# Altium PCB Version_2.PcbDoc (part 6 of 6)
Units mil, origin at the board's own origin, x right, y up, seen from the top; angles counter-clockwise.
Board outline 6692.91 x 6692.91 mil, 4 copper layers (Component Side, Ground Plane, Power, Solder Side), stack 33.234 mil thick; 798 components, 528 nets, 2533 pads, 836 vias.
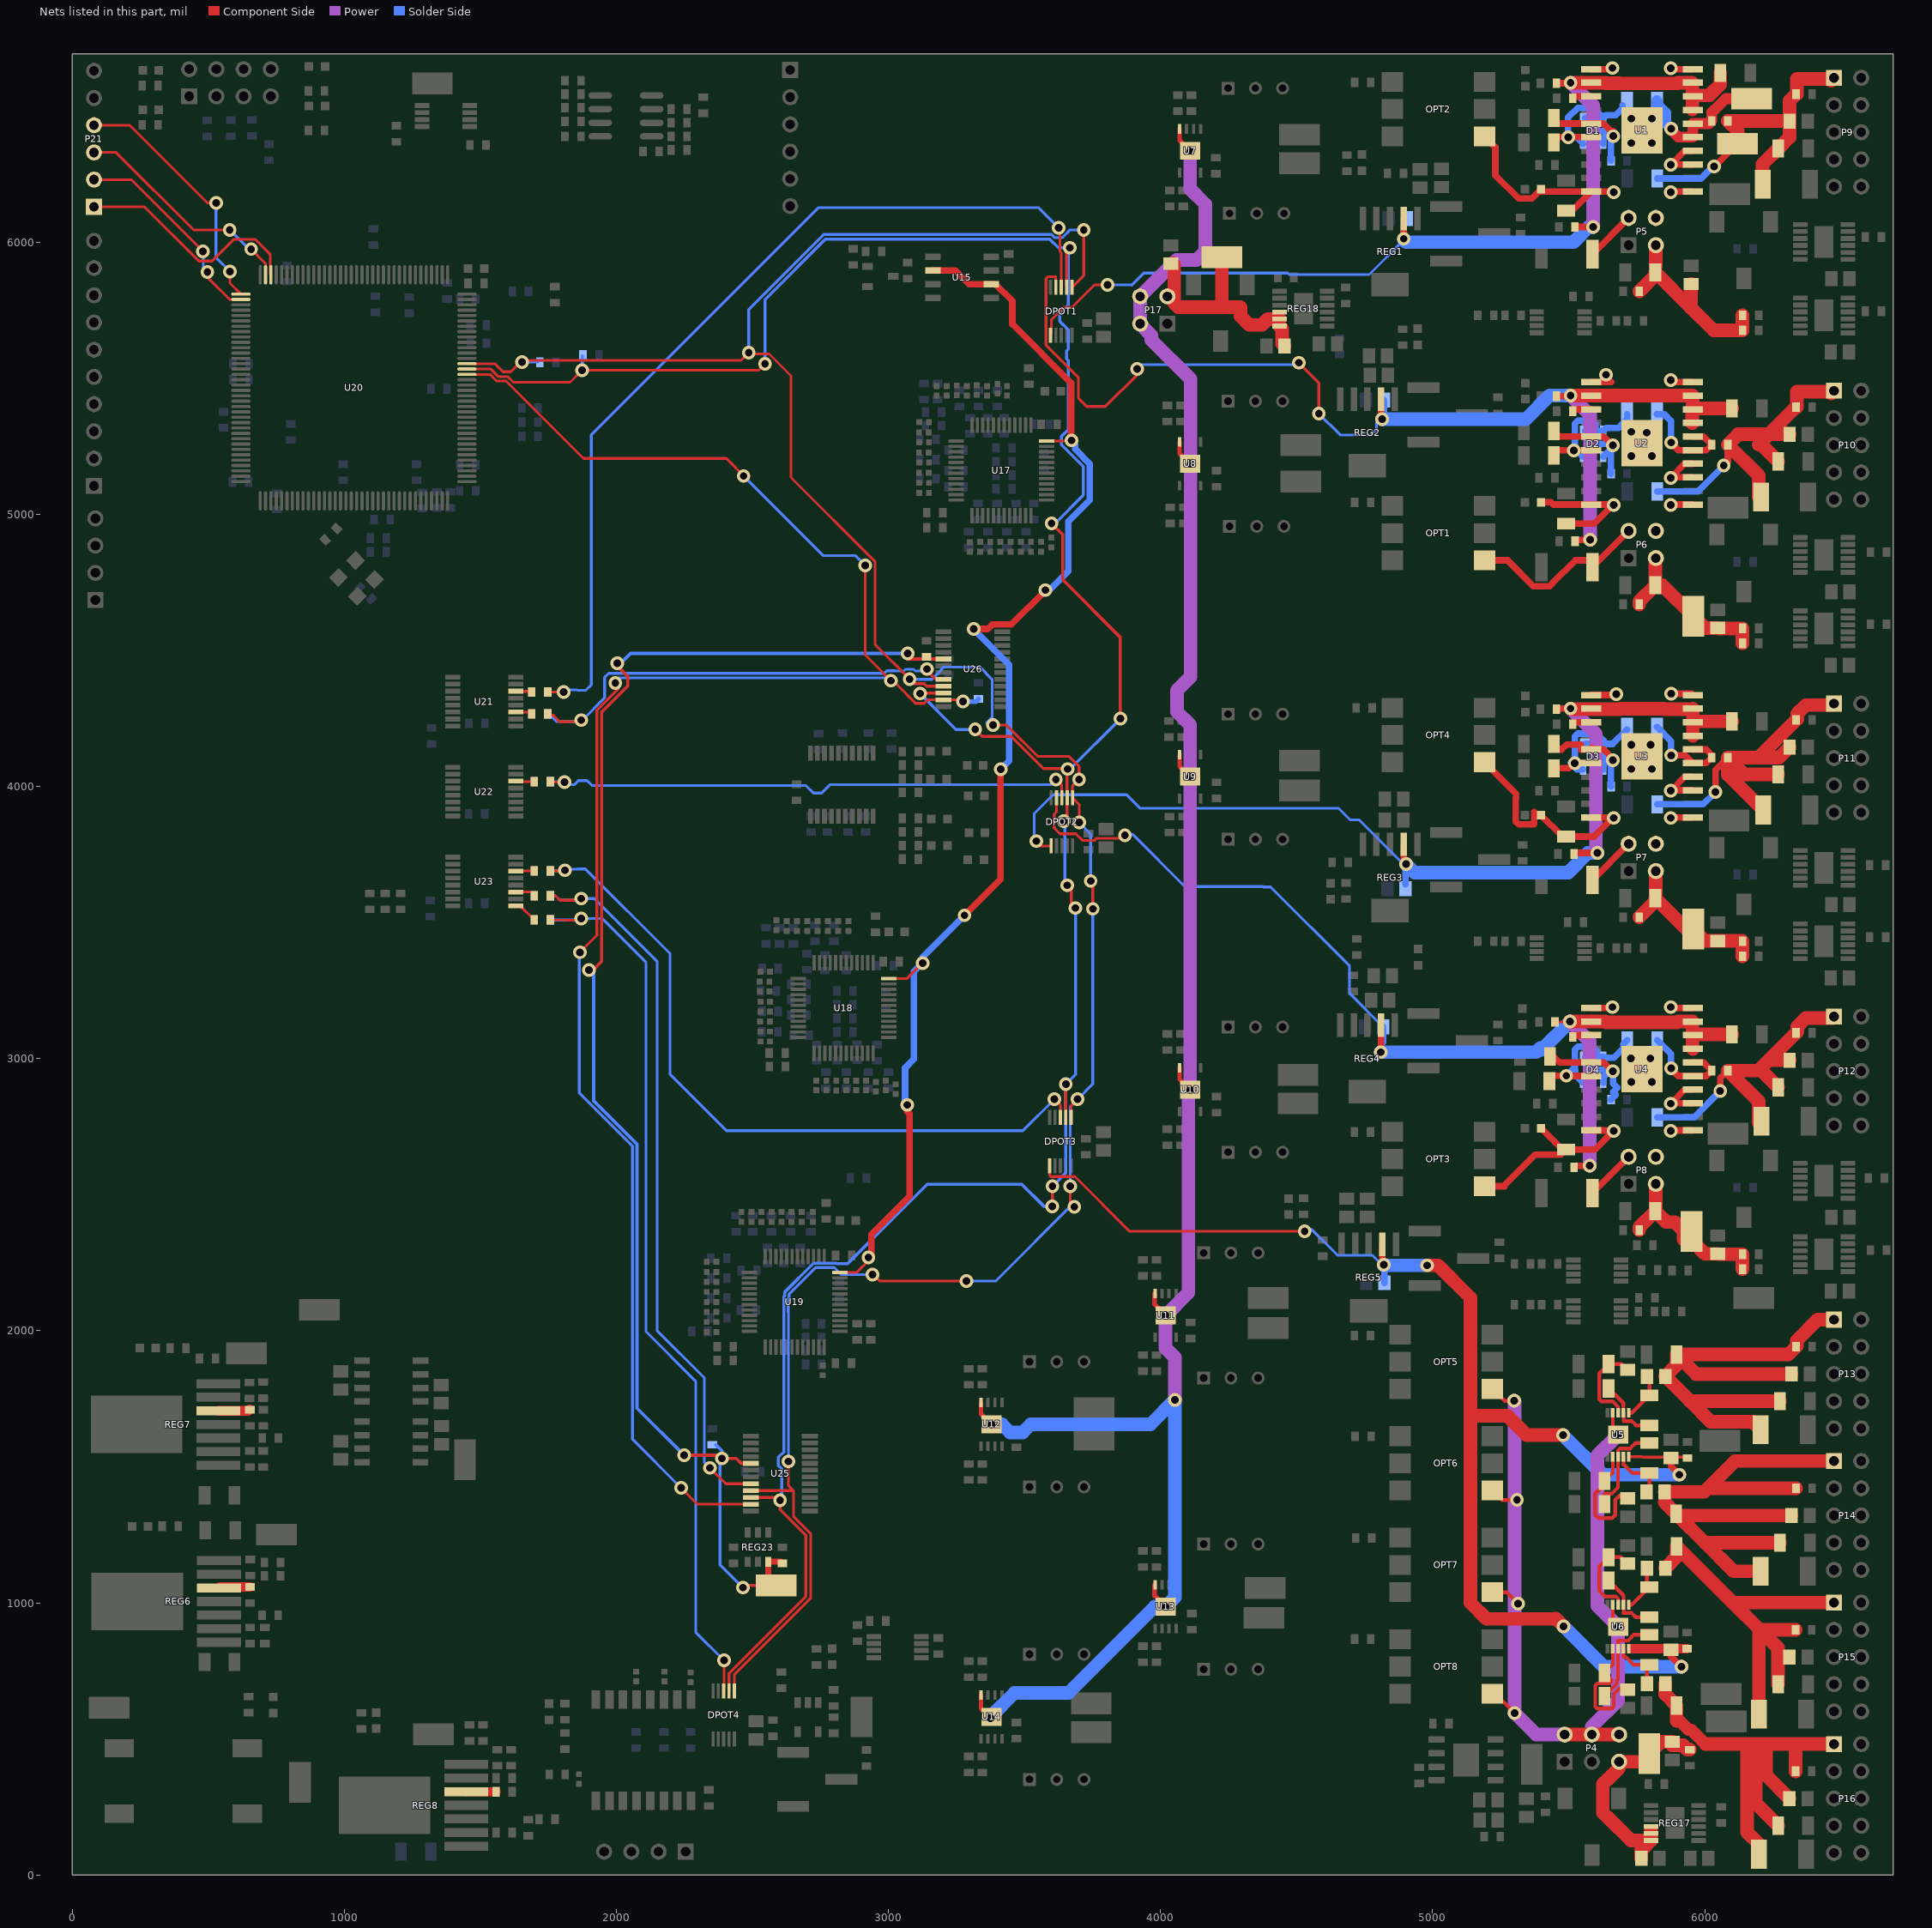
[diagram p8: the nets of this part, all layers, seen from the top]

## Via types
v1: diameter 50, hole 28, Component Side to Solder Side, 831 vias
v2: diameter 50/50/50 (per signal layer), hole 28, Component Side to Solder Side, 4 vias
v3: diameter 37.4, hole 19.68, Component Side to Solder Side, 1 vias

## Nets (pads, with @x,y where several pads share a name; then routed paths per layer and width w, separated by ;. In a path a pad name is that pad's centre, name@x,y a point inside that pad or via, vN(x,y) a via of type N, cw(c..) or ccw(c..) an arc to the next point about the centre after c; other vN are vias at no path point) (continued)
SPI_CLK: DPOT1.6 DPOT2.6 DPOT3.6 DPOT4.6 R200.1 U20.59 U25.21 U26.21 | length 10134.2
  Component Side w10: U20.59@1450.67,5553.58 1552.99,5553.58 1582.53,5524.04 1612.35,5524.04 1651.31,5562.99 1655.51,5562.99 1658.05,5565.53 2457.26,5565.53 v1(2486.22,5594.49) 2491.29,5589.42 2561.3,5589.42 2641.73,5508.98 2641.73,5135.56 2950.37,4826.92 2950.37,4522.07 v1(3077.76,4394.68) ; DPOT4.6@2433.9,676.85 2433.9,737.55 2714.57,1018.21 2714.57,1253.65 2650.71,1317.51 2650.71,1412.52 ; U25.21@2494.33,1412.52 2586.08,1412.52 2586.59,1413.04 2616.42,1413.04 2616.93,1412.52 2650.71,1412.52 ; v1(2631.89,1519.68) 2631.89,1431.34 2650.71,1412.52 ; v1(2940.94,2205.71) 2945.37,2205.71 2968.99,2182.09 v1(3286.42,2182.09) ; v1@3094.69,4377.75 3131.21,4377.75 3140.49,4368.46 U26.21@3201.97,4368.46 ; v1(3383.86,4225.39) 3433.77,4225.39 3548.31,4110.86 3662.5,4110.86 3700.24,4073.11 v1(3700.24,4025.96) 3676.38,4002.1 DPOT2.6@3676.38,3958.56 3702.76,3932.18 3700.86,3930.29 v1(3700.86,3867.63) ; v1@3668.49,2522.82 v1(3668.49,2530.64) 3668.31,2530.46 3668.31,2469.49 v1(3683.07,2454.72) ; DPOT3.6@3671.38,2783.56 3671.38,2827.1 v1(3695.24,2850.96) ; DPOT1.6@3674.61,5834.54 3717.52,5877.46 v1(3717.52,6045.28) ; v1(3750.98,3550.2) v1@3750.98,3644.68
  Solder Side w10: v1(1653.62,5559.33) 1710.36,5559.33 1710.63,5559.06 R200.1@1714.57,5562.99 ; v1(2486.22,5594.49) 2486.22,5752.41 2762.2,6028.39 3598.84,6028.39 3610.09,6017.15 3639.91,6017.15 3646.12,6023.36 3661,6038.24 3661,6039.65 3666.62,6045.28 v1(3717.52,6045.28) ; v1(2631.89,1519.68) 2631.89,2068.41 2631.45,2068.85 2631.45,2118.51 2634.69,2121.75 2634.69,2134.8 2731.87,2231.97 2801.01,2231.97 2827.28,2205.71 v1(2940.94,2205.71) ; v1@3089.57,4400.59 3096.46,4393.7 3159.45,4393.7 3192.74,4426.99 3192.74,4427.78 3203.93,4438.98 3335.63,4438.98 3380.91,4393.7 3380.91,4253 3360.4,4232.49 v1@3364.95,4232.49 ; v1(3286.42,2182.09) 3393.7,2182.09 3683.07,2471.46 v1(3683.07,2454.72) ; v1(3668.49,2530.64) 3668.49,2824.21 v1(3695.24,2850.96) 3750.98,2906.71 v1(3750.98,3550.2) ; 3718.5,3849.78 3743.11,3825.17 v1(3743.11,3652.56)
SPI_CS1: R254.1 R255.1 U26.20 | length 1736.4
  Component Side w10: R254.1@1756.89,4261.81 1770.1,4261.81 1770.1,4258.88 1791.19,4237.79 1821.01,4237.79 1822.01,4238.79 v1@1871.1,4238.79 ; v1@3141.89,4433.9 3141.89,4426.02 3161.44,4406.46 3161.44,4405.05 3167.89,4398.6 3169.3,4398.6 3174.44,4393.46 U26.20@3201.97,4393.46
  Solder Side w10: R255.1@1756.89,4261.81 1779.91,4238.79 1790.19,4238.79 1791.19,4237.79 1821.01,4237.79 1822.01,4238.79 1871.1,4238.79 1876.1,4243.79 1876.1,4244.66 1956.69,4325.25 1956.69,4401.07 1971.54,4415.92 2985.02,4415.92 2994.09,4424.99 3023.92,4424.99 3024.7,4424.21 3056.37,4424.21 3062.84,4430.68 3092.67,4430.68 3099.14,4424.21 3131.83,4424.21 3140.9,4433.29 v1(3140.9,4431.32)
  other v1: 1871.1,4243.79
SPI_CS1O: R254.2 U21.3 | length 56.1
  Component Side w10: U21.3@1630.18,4273.35 R254.2@1686.3,4273.35
SPI_CS2: R259.1 R260.1 U25.20 | length 2745.2
  Component Side w10: R259.1@1756.89,3592.62 R259.1@1756.89,3598.42 1776.12,3598.43 1792.61,3581.94 1870.1,3581.94 v1@1871.1,3582.94 ; v1(2343.5,1496.06) 2402.05,1437.52 U25.20@2494.33,1437.52
  Solder Side w10: R260.1@1756.89,3592.62 R260.1@1756.89,3598.43 1776.12,3598.43 1791.61,3582.94 1795.19,3582.94 1796.19,3581.94 1826.01,3581.94 1827.01,3582.94 v1@1871.1,3582.94 ; v1(1871.1,3587.94) 1918.92,3587.94 2149.61,3357.26 2149.61,2000.97 2323.34,1827.24 2323.34,1516.23 v1(2343.5,1496.06)
SPI_CS2O: R259.2 U23.3 | length 53.9
  Component Side w10: U23.3@1630.18,3612.2 1684.05,3612.2
SPI_CS3: DPOT1.8 R263.1 R264.1 | length 3438.2
  Component Side w10: R263.1@1756.89,4347.44 v1@1805.45,4347.44 ; v1@3630.52,6047.63 3630.52,5964.71 3635.24,5959.99 DPOT1.8@3635.24,5834.54
  Solder Side w10: R264.1@1757.54,4346.79 v1(1806.1,4346.79) 1814.1,4354.79 1855.19,4354.79 1856.19,4353.79 1888.19,4353.79 1907.96,4373.56 1907.96,5291.82 2743.68,6127.54 3550.61,6127.54 v1(3625,6053.15)
SPI_CS3O: R263.2 U21.6 | length 65
  Component Side w11: U21.6@1630.18,4350.12 R263.2@1695.16,4350.12
SPI_CS4: DPOT2.8 R267.1 R268.1 | length 2025.5
  Component Side w10: R267.1@1758.86,4015.75 v1(1809.06,4015.75) ; v1(3615.24,4025.96) 3637.01,4004.19 DPOT2.8@3637.01,3958.56
  Solder Side w10: R268.1@1756.89,4017.72 v1@1807.09,4017.72 ; v1(1809.06,4015.75) 1818.46,4006.34 1845.09,4006.34 1860.18,4021.43 1860.24,4021.43 1860.46,4021.65 1892.65,4021.65 1910.88,4003.42 2696.66,4003.42 2724.07,3976.01 2754.22,3976.01 2784.55,4006.34 3595.61,4006.34 v1@3610.02,4020.75
SPI_CS4O: R267.2 U22.6 | length 65.8
  Component Side w10: U22.6@1632.01,4017.72 R267.2@1697.83,4017.72
SPI_CS5: DPOT3.8 R271.1 R272.1 | length 2703.5
  Component Side w10: R271.1@1756.89,3689.96 v1@1805.12,3689.96 ; v1@3610.24,2833.25 v1(3610.24,2850.96) 3632.01,2829.19 DPOT3.8@3632.01,2783.56
  Solder Side w10: R272.1@1756.89,3689.96 v1@1805.12,3689.96 ; v1@1806.1,3690.94 1811.1,3695.94 1855.19,3695.94 1856.19,3696.94 1886.01,3696.94 2197.61,3385.35 2197.61,2941.93 2404.57,2734.96 3494.24,2734.96 v1(3610.24,2850.96)
  other v1: 1811.11,3692.11
SPI_CS5O: R271.2 U23.6 | length 66.7
  Component Side w10: U23.6@1631.16,3689.96 R271.2@1697.83,3689.96
SPI_CS6: DPOT4.8 R275.1 R276.1 | length 3324.5
  Component Side w10: R275.1@1756.89,3509.84 1868.05,3507.87 1873.28,3512.47 v1@1876.1,3514.94 ; DPOT4.8@2395.67,677.99 v1(2395.67,788.39)
  Solder Side w10: R276.1@1756.89,3509.84 1756.89,3508.94 v1@1865.1,3508.94 ; v1@1876.1,3514.94 1946.67,3514.94 2109,3352.61 2109,1996.33 2291.34,1813.99 2291.34,892.72 v1(2395.67,788.39)
  other v1: 1871.1,3514.94
SPI_CS6O: R275.2 U23.1 | length 88.9
  Component Side w10: U23.1@1630.18,3561.02 1646.65,3561.02 R275.2@1697.83,3509.84
SPI_DIN: DPOT1.7 DPOT2.7 DPOT3.7 DPOT4.7 R190.1 U20.58 U25.22 U26.22 | length 10536.1
  Component Side w10: U20.58@1450.67,5533.9 1538.57,5533.9 1566.22,5506.24 1600.66,5506.24 1621.66,5485.24 1829.72,5485.24 v1@1871.48,5526.99 ; v1(1874.02,5529.53) 2522.49,5529.53 v1(2546.38,5553.42)
  Component Side w11: DPOT4.7@2414.22,676.85 2414.22,741.2 2696.11,1023.09 2696.11,1248.77 2601.5,1343.38 v1(2601.5,1377.04) 2591.02,1387.52 U25.22@2494.33,1387.52 ; v1@3118.01,4343.46 U26.22@3201.97,4343.46 ; v1(3318.9,4209.65) 3344.09,4184.45 3451.37,4184.45 3569.88,4065.94 3656.5,4065.94 3656.5,3958.76 DPOT2.7@3656.69,3958.56 v1@3656.69,3891.25 ; v1(3599.41,4966.54) 3641.08,4924.86 3641.08,4758.8 3852.36,4547.52 v1(3852.36,4249.02) ; v1(3602.36,2456.69) 3602.36,2530.46 v1(3602.54,2530.64) v1@3602.54,2528.72 ; v1(3644.86,3872.24) v1@3644.86,3886.6 ; DPOT3.7@3651.69,2783.56 v1(3651.69,2905.96) ; DPOT1.7@3654.92,5834.54 3654.92,5968.03 v1(3666.52,5979.62) v1@3666.52,5991.32 ; v1(3656.67,3636.99) 3656.67,3636 3671.26,3621.42 3671.26,3569.25 v1(3687.19,3553.32)
  Solder Side w11: v1(1874.02,5529.53) R190.1@1874.02,5582.68 ; v1(2546.38,5553.42) 2546.38,5789.24 2769.04,6011.89 3592.01,6011.89 3624.28,5979.62 v1(3666.52,5979.62) 3660.43,5973.54 3660.43,5770.12 3629.84,5739.53 3629.84,5709.29 3660.43,5678.7 3660.43,5607.72 3654.44,5601.73 3654.44,5571.5 3660.43,5565.51 3660.43,5311.46 3635.74,5286.77 3635.74,5256.53 3716.54,5175.74 3716.54,5070.87 3612.2,4966.54 v1(3599.41,4966.54) ; v1@2607.37,1382.9 2607.37,1492.59 2595.39,1504.57 2595.39,1534.8 2615.39,1554.8 2615.39,2061.58 2614.95,2062.02 2614.95,2125.34 2618.19,2128.58 2618.19,2141.63 2725.04,2248.47 2807.85,2248.47 2809.85,2246.47 2849.82,2246.47 3141.94,2538.59 3489.95,2538.59 3571.85,2456.69 v1(3602.36,2456.69) ; v1(3116.29,4341.75) 3248.4,4209.65 v1(3318.9,4209.65) ; v1(3602.54,2530.64) 3651.69,2579.79 v1(3651.69,2905.96) 3687.19,2941.46 v1(3687.19,3553.32) ; v1(3644.86,3872.24) 3644.86,3883.06 3647.75,3885.95 v1@3647.75,3644.93 ; v1@3656.67,3617.34 v1(3656.67,3636.99) ; v1(3658.46,4063.98) 3667.32,4063.98 v1(3852.36,4249.02)
SPI_DOUT: R195.1 U20.57 U25.23 U26.23 | length 7053.9
  Component Side w10: U20.57@1450.67,5514.21 1535.63,5514.21 1559.6,5490.24 1594.03,5490.24 1878.73,5205.54 2404.08,5205.54 2474.53,5135.09 v1@2474.53,5133.98 ; v1(1866.14,3390.75) 1928.55,3453.16 1928.55,4280.19 2006.89,4358.53 v1@2006.89,4386.81 ; v1(2238.19,1422.24) 2297.92,1362.52 U25.23@2494.33,1362.52 ; v1(2914.37,4812.01) 2914.37,4483.63 v1(3009.01,4388.99) ; v1@3023.62,4388.78 3029.89,4382.51 3029.89,4375.35 3099.69,4305.55 3131.62,4305.55 3144.53,4318.46 U26.23@3201.97,4318.46 3267.17,4318.46 v1(3273.62,4312.01)
  Solder Side w10: v1(1866.14,3390.75) 1863.61,3388.21 1863.61,2873.61 2059.06,2678.16 2059.06,1601.38 v1(2238.19,1422.24) ; v1@2008.86,4399.61 v1@3017.72,4399.61 ; v1(2467.52,5140.75) 2760.26,4848.01 2878.37,4848.01 v1(2914.37,4812.01)
  Solder Side w18: v1(3273.62,4312.01) 3320.87,4312.01 R195.1@3330.71,4321.85
  other v1: 1996.06,4379.92
SS5: C98.2 REG7.5 | length 117.3
  Component Side w35: REG7.5@537.4,1705.51 647.44,1705.51 C98.2@652.56,1710.63
SS15: C97.2 REG6.5 | length 111
  Component Side w34: REG6.5@542.52,1058.07 C97.2@653.54,1058.07
SS-5: C99.2 REG8.5 | length 110.3
  Component Side w34: REG8.5@1447.84,305.96 C99.2@1558.11,305.96
TCK: P21.4 U20.109 | length 939.8
  Component Side w10: P21.4@80,6430 210.72,6430 496.04,6144.68 v1(528.54,6144.68) ; v1(579.72,5892.72) 579.72,5849.72 U20.109@619.96,5809.49
  Solder Side w10: v1(528.54,6144.68) 528.54,5943.9 v1(579.72,5892.72)
TDI: P21.2 U20.110 | length 768.4
  Component Side w10: P21.2@80,6230 216.85,6230 v1(480.32,5966.54) ; v1(496.77,5890.79) 496.77,5871.34 578.31,5789.8 U20.110@619.96,5789.8
  Solder Side w10: v1(480.32,5966.54) 482.28,5964.57 482.28,5905.27 v1(496.77,5890.79)
TDO: P21.1 U20.106 | length 862.5
  Component Side w10: P21.1@80,6130 265.94,6130 465.4,5930.54 514.64,5930.54 594.81,6010.7 672.42,6010.7 727.42,5955.71 727.42,5883.13 U20.106@730.2,5880.35
TFLAG1: R4.1 U1.3 | length 70.5
  Component Side w24: R4.1@5514.77,6529.27 5521.46,6535.96 U1.3@5582.48,6535.96
TFLAG2: R3.1 U2.3 | length 61
  Component Side w24: R3.1@5521.46,5385.96 U2.3@5582.48,5385.96
TFLAG3: R2.1 U3.3 | length 70.5
  Component Side w24: R2.1@5514.77,4229.27 5521.46,4235.96 U3.3@5582.48,4235.96
TFLAG4: R1.1 U4.3 | length 61
  Component Side w24: R1.1@5521.46,3085.96 U4.3@5582.48,3085.96
TMS: P21.3 U20.107 | length 845.1
  Component Side w10: P21.3@80,6330 161.14,6330 445.57,6045.57 v1(578.77,6045.57) ; v1(657.51,5974.7) 710.51,5921.7 U20.107@710.51,5880.35
  Solder Side w10: v1(578.77,6045.57) 649.64,5974.7 v1(657.51,5974.7) v1@660.43,5977.62
VI1: C3.2 C22.2 C23.2 DPOT1.1 R250.1 REG1.2 U1.2 U1.17 U1.18 U1.19 | length 3809.4
  Component Side w10: DPOT1.1@3598.65,5660.16 3598.65,5715.07 3644.4,5760.83 3674.21,5760.83 3756.19,5842.8 v1(3805.3,5842.8)
  Component Side w24: REG1.2@4893.55,6087.46 4893.55,6008.03 v1@4893.7,6007.87 ; C23.2@5454.77,6584.27 5505.53,6584.27 v1(5506.89,6585.63) 5507.22,6585.96 U1.2@5582.48,6585.96 ; R250.1@5523.07,6055.96 5523.21,6056.1 v1(5589.57,6056.1)
  Component Side w50: v1(5506.89,6585.63) 5634.68,6585.63 5636.97,6583.34 5637.51,6583.88 5683.91,6583.88 5683.97,6583.81 5684.51,6583.27 5898.43,6583.27 5900.79,6585.63 5954.81,6585.63 U1.17@5954.81,6487.65 ; U1.18@5959.81,6539.27 6016.63,6539.27 6057.09,6579.73 C22.2@6057.09,6622.05
  Power w50: v1(5506.89,6585.63) 5589.57,6502.95 v1(5589.57,6056.1)
  Solder Side w10: v1(3805.3,5842.8) 3893.96,5842.8 3894.24,5842.52 3938.28,5886.56 4467.07,5886.56 4472.56,5881.07 4766.9,5881.07 v1@4893.7,6007.87
  Solder Side w24: v1@4893.7,6007.87 C3.2@4893.7,6075.79
  Solder Side w50: v1@4893.7,6007.87 4901.57,6000 5517.72,6000 5573.82,6056.1 v1(5589.57,6056.1)
  other v1: 4893.7,6012.87
VI2: C6.2 C26.2 C27.2 DPOT1.9 R256.1 REG2.2 U2.2 U2.17 U2.18 U2.19 | length 4180.1
  Component Side w10: 3578.96,5620.82 3578.96,5866.66 3585.41,5873.1 3614.65,5873.1 3614.65,5833.64 DPOT1.9@3615.55,5834.54 ; 3579.96,5619.82 3698.18,5501.6 3698.18,5426.56 3728.64,5396.1 3797.04,5396.1 v1@3920.45,5519.51 ; v1(4507.87,5557.09) 4581.69,5483.27 v1(4581.69,5370.08)
  Component Side w24: REG2.2@4810.24,5422.46 4810.24,5350.19 4810.76,5349.67 v1(4814.21,5349.67) ; C27.2@5454.77,5434.27 v1@5504.15,5434.27 ; R256.1@5523.07,4905.96 5578.21,4905.96 v1(5578.74,4906.5)
  Component Side w50: v1(5506.89,5437.01) 5955.45,5437.01 U2.19@5956.5,5435.96 5954.53,5384.98 U2.17@5954.53,5334.98 ; U2.18@5959.81,5389.27 C26.2@6100.12,5389.27
  Power w50: v1(5506.89,5437.01) 5578.74,5365.16 v1(5578.74,4906.5)
  Solder Side w10: v1(3914.37,5534.45) 3930.12,5550.2 v1@4500.98,5550.2 ; v1(4581.69,5370.08) 4660.02,5291.76 4772.79,5291.76 4794.11,5313.08 4794.11,5338.14 v1@4805.37,5349.41
  Solder Side w24: v1@4821.85,5360.24 C6.2@4821.85,5419.29
  Solder Side w50: v1(4814.21,5349.67) 5342.28,5349.67 5342.55,5349.41 5430.14,5437.01 v1(5506.89,5437.01)
VI3: C9.2 C30.2 C31.2 DPOT2.1 R261.1 REG3.2 U3.2 U3.17 U3.18 U3.19 | length 3948.1
  Component Side w10: v1(3543.48,3799.4) 3543.48,3794.12 3556.2,3781.4 DPOT2.1@3597.64,3781.4
  Component Side w24: REG3.2@4893.55,3787.46 4893.55,3712.75 4895.36,3714.57 v1(4902.56,3714.57) ; C31.2@5456.91,4286.42 v1(5506.89,4286.42) ; R261.1@5523.07,3755.96 5605.26,3755.96 v1(5605.32,3755.91)
  Component Side w50: v1(5506.89,4286.42) 5509.04,4284.27 5627.82,4284.27 5627.82,4283.78 5690.16,4283.78 ; 5690.16,4285.96 5850.76,4285.96 5852.46,4284.27 5954.81,4284.27 U3.19@5956.5,4285.96 ; U3.17@5956.5,4185.96 U3.18@5956.5,4235.96 U3.19@5956.5,4284.27 ; U3.18@5959.81,4239.27 C30.2@6100.12,4239.27
  Power w50: v1(5506.89,4286.42) 5600.24,4193.07 5600.24,3760.98 v1(5605.32,3755.91)
  Solder Side w10: v1(3543.48,3799.4) 3536.02,3806.85 3536.02,3900.93 3604.84,3969.74 3874.74,3969.74 3924.2,3920.28 4653.43,3920.28 4696.32,3877.39 4729.9,3877.39 4882.87,3724.41 v1@4893.7,3724.41
  Solder Side w24: C9.2@4899.61,3640.75 v1@4899.61,3706.69
  Solder Side w50: v1(4902.56,3714.57) 4934.06,3683.07 5498.03,3683.07 5570.87,3755.91 v1(5605.32,3755.91)
VI4: C12.2 C34.2 C35.2 DPOT2.9 R265.1 REG4.2 U4.2 U4.17 U4.18 U4.19 | length 4039.4
  Component Side w9: 3765.56,3809.94 v1@3858.17,3809.94
  Component Side w10: DPOT2.9@3617.32,3958.56 3617.32,3906.44 3608.86,3897.98 3608.86,3847.55 3630.19,3826.22 3690.05,3826.22 3690.05,3824.81 3712.97,3801.89 3757.51,3801.89 3765.56,3809.94 ; v1@3861.22,3812.99 v1@3871.25,3823.02 ; C35.2@5449.8,3134.84 v1@5502.52,3134.84
  Component Side w24: v1@4810.24,3024.72 REG4.2@4810.24,3122.46 ; v1@5503.09,3134.27 v1(5504.79,3135.96) U4.2@5582.48,3135.96 ; R265.1@5523.07,2605.96 5576.43,2605.96 v1(5576.77,2606.3)
  Component Side w50: v1(5504.79,3135.96) 5634.35,3135.96 5637.04,3133.27 5898.43,3133.27 5901.13,3135.96 5954.81,3135.96 5954.81,3037.65 U4.17@5956.5,3035.96 ; U4.18@5959.81,3089.27 C34.2@6100.12,3089.27
  Power w50: v1(5504.79,3135.96) 5576.77,3063.98 v1(5576.77,2606.3)
  Solder Side w10: v1@3871.25,3823.02 3898.43,3823.02 4089.05,3632.39 4375.46,3632.39 4377.46,3630.39 4404.33,3630.39 4694.7,3340.02 4694.7,3239.96 C12.2@4818.7,3115.96
  Solder Side w24: 4818.7,3060.43 C12.2@4818.7,3115.96
  Solder Side w50: v1(4809.29,3023.77) 5381.08,3023.77 5395.69,3038.39 5401.45,3032.63 v1(5504.79,3135.96)
  other v1: 3868.99,3821.05
VMINUS1: D1.2 D1.4 R39.1 R40.1 U1.6 | length 510.3
  Component Side w24: R39.1@5464.38,6385.83 v1(5498.03,6385.83) 5498.17,6385.96 U1.6@5582.48,6385.96
  Solder Side w24: D1.4@5552.84,6362.03 5529.04,6385.83 v1(5498.03,6385.83) 5498.03,6458.66 5533.57,6494.2 5589.95,6494.2 D1.2@5627.64,6456.51 5638.4,6467.27 5672.63,6467.27 5697.24,6491.87 R40.1@5697.24,6502.36
VMINUS2: D2.2 D2.4 R45.1 R46.1 U2.6 | length 522.8
  Component Side w24: R45.1@5464.51,5235.96 U2.6@5582.48,5235.96
  Solder Side w24: v1(5518.7,5235.24) 5523.02,5239.56 v1@5523.02,5241.84 ; D2.4@5552.84,5212.02 v1@5523.02,5241.84 ; R46.1@5715.12,5368.11 5715.12,5348.98 5713.41,5347.27 5712.43,5347.27 5687.24,5322.08 5687.24,5321.1 5683.41,5317.27 5638.4,5317.27 D2.2@5627.64,5306.51 5603.14,5306.51 5598.4,5311.26 5598.4,5333.65 5587.85,5344.2 5533.57,5344.2 5523.02,5333.65 v1@5523.02,5241.84
VMINUS3: D3.2 D3.4 R51.1 R52.1 U3.6 | length 545.6
  Component Side w24: R51.1@5445.36,4066.81 5500.86,4066.81 5528.05,4094 5536.09,4085.96 U3.6@5582.48,4085.96
  Solder Side w24: v1@5506.89,4085.96 5530.83,4062.02 D3.4@5552.84,4062.02 ; v1@5523.02,4086.02 5523.02,4183.65 5533.57,4194.2 5601.97,4194.2 5627.64,4168.53 D3.2@5627.64,4156.51 5661.88,4156.51 R52.1@5714.57,4209.2
  other v1: 5522.64,4085.63
VMINUS4: D4.2 D4.4 R57.1 R58.1 U4.6 | length 577.3
  Component Side w24: R57.1@5448.82,2937.01 v1(5491.14,2937.01) ; v1@5504.98,2935.96 U4.6@5582.48,2935.96
  Solder Side w24: v1(5491.14,2937.01) 5523.02,2968.89 5523.02,3033.65 5533.57,3044.2 5587.85,3044.2 5603.14,3028.91 5603.14,3006.51 D4.2@5627.64,3006.51 5627.81,3006.69 5631.23,3003.28 5666.02,3003.28 5700.46,3037.72 5700.46,3052.83 R58.1@5715.55,3067.91 ; 5524.02,2955.13 5504.92,2936.02 5528.84,2936.02 D4.4@5552.84,2912.02
VMINUS5: R15.1 R16.1 U5.2 | length 244.5
  Component Side w12: U5.2@5701.27,1697.92 5701.27,1720.92
  Component Side w13: U5.2@5701.27,1697.92 5701.65,1697.53 5701.65,1667.92 5731.27,1667.92 5746.88,1652.31
  Component Side w14: R15.1@5646.7,1787.43 5648.06,1787.43 5701.27,1734.22 5701.27,1720.92 ; 5746.88,1652.31 R16.1@5796.58,1652.31
VMINUS6: R27.1 R28.1 U5.8 | length 360.1
  Component Side w13: R27.1@5631.7,1362.43 5631.7,1401.46 5658.53,1401.46 5681.4,1424.33 5681.4,1536.55 U5.8@5681.2,1536.55 ; U5.8@5681.58,1536.93 5681.58,1559.93
  Component Side w14: 5681.58,1559.93 5689.08,1567.43 5725.67,1567.43 5745.78,1587.54 R28.1@5796.58,1587.54
VMINUS7: R21.1 R22.1 U6.2 | length 236.7
  Component Side w13: 5701.27,969.92 5701.27,1027.86
  Component Side w14: R21.1@5646.7,1082.43 5701.27,1027.86 ; 5701.65,963.42 5707.77,963.42 5708.77,962.42 5731.77,962.42 5746.88,947.31 R22.1@5796.58,947.31
VMINUS8: R33.1 R34.1 U6.8 | length 354.9
  Component Side w13: R33.1@5631.7,657.43 5676.52,702.25 5676.52,713.77 5681.58,718.83 U6.8@5681.58,831.93 5681.97,831.93 5681.97,861.93 5718.85,861.93 5731.09,874.18 5731.09,874.89 5738.75,882.54
  Component Side w14: R33.1@5631.7,657.43 R33.1@5631.7,663.18 ; 5738.75,882.54 R34.1@5796.58,882.54
VN1: C24.1 C25.1 C134.1 P5.3 R341.1 R345.1 | length 721.8
  Component Side w50: C25.1@5759.45,5819.27 5818.5,5878.33 C24.1@5818.5,5889.27 5947.93,5759.84 5948.82,5759.84 ; C24.1@5820.33,5913.19 P5.3@5820.33,5989.27 ; C134.1@5950.79,5846.46 5948.82,5844.49 5948.82,5759.84 ; R341.1@6139.02,5730.96 R345.1@6139.02,5675.96 6032.7,5675.96 5948.82,5759.84
VN2: C28.1 C29.1 C135.1 P6.3 R342.1 R346.1 TP50.1 | length 633.7
  Component Side w50: C29.1@5759.45,4669.27 5759.45,4680.21 C28.1@5818.5,4739.27 ; P6.3@5818.5,4837.44 C28.1@5818.5,4739.27 ; R346.1@6139.02,4525.96 R342.1@6139.02,4580.96 6050.08,4580.96 C135.1@6048.55,4582.5 6001.02,4582.5 TP50.1@5957.56,4625.96 5844.25,4739.27 C28.1@5818.5,4739.27
VN3: C32.1 C33.1 C136.1 P7.3 R343.1 R347.1 TP51.1 | length 634.8
  Component Side w50: C33.1@5759.45,3519.27 5818.5,3578.32 C32.1@5818.5,3589.27 ; P7.3@5820.33,3689.27 5820.33,3587.44 5931.81,3475.96 TP51.1@5957.56,3475.96 6001.02,3432.5 C136.1@6048.55,3432.5 6137.48,3432.5 R343.1@6139.02,3430.96 R347.1@6139.02,3375.96
VN4: C36.1 C37.1 C137.1 P8.3 R344.1 R348.1 TP52.1 | length 653.3
  Component Side w50: C37.1@5759.45,2369.27 5759.45,2380.21 C36.1@5818.5,2439.27 ; P8.3@5820.33,2539.27 5820.33,2437.44 5858.28,2399.49 5889.91,2399.49 5922.13,2367.27 5922.13,2335.65 5931.81,2325.96 5957.56,2325.96 6001.02,2282.5 C137.1@6048.55,2282.5 6050.08,2280.96 R344.1@6139.02,2280.96 R348.1@6139.02,2225.96
VN5: C40.2 C41.2 C132.1 P4.5 REG17.10 REG17.11 REG17.12 TP47.1 | length 815.4
  Component Side w50: TP47.1@5766.22,415.96 P4.5@5685.24,415.96 5685.24,392.36 5644.68,351.8 5643.26,351.8 5625.1,333.64 5625.1,229.22 5643.26,211.06 5644.68,211.06 5728.76,126.99 REG17.12@5802.64,126.99 ; C132.1@5766.77,60.96 5766.77,91.12 REG17.12@5802.64,126.99 ; TP47.1@5796.22,445.96 5839.69,489.43 C40.2@5880.24,489.43 5880.24,476.14 5920.64,476.14 5936.28,460.49 C41.2@5945.24,460.49 ; REG17.11@5802.64,161.42 REG17.12@5802.64,126.99